# KiCad board ButterStick.kicad_pcb (continued)
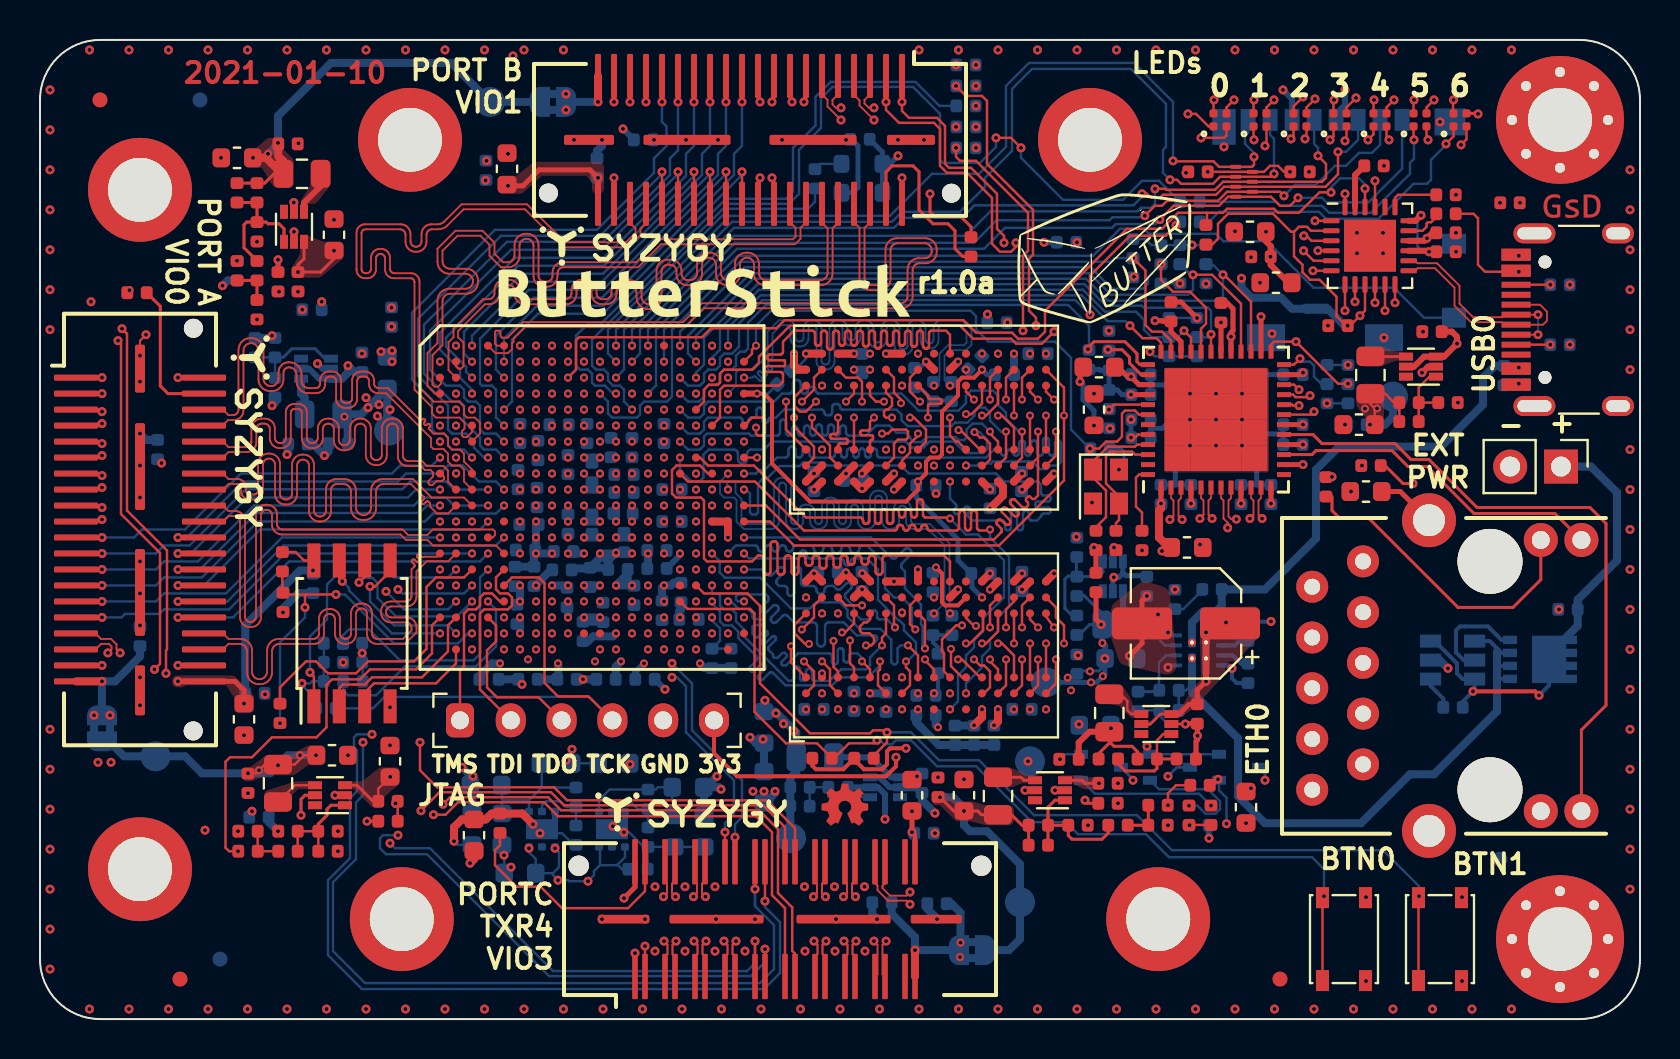
[diagram p0: board, top side]
## Library data of the parts
C1 C4 C5 C7-C9 C11-C17 C20-C22 C24 C26 C28 C32 C38-C40 C42 C44 C46 C48 C50 C52 C53 C56 C63 C64 C66 C67 C70 C71 C88 C89 C92-C94 C97-C99 C102 C105 C106 C109 C112 C113 C116 C120 C121 C145-C151 C153-C158 C167 = -: Mfg: Yageo; PN: CC0402KRX5R6BB104; Tol: 10V / X5R
C2 C3 C33-C37 C68 C75 C85-C87 C142 C143 C159-C164 C166 = -: Mfg: Yageo; PN: CC0402KRX5R6BB105
C6 C128-C131 C144 = -: Mfg: Yageo; PN: CC0402KRX7R8BB103
C10 C41 C55 C57 C65 C69 C72 C74 C82-C84 C101 C103 C104 C108 C110 C111 C115 C117 C118 = -: Mfg: Yageo; PN: CC0603KRX5R5BB106
C18 C19 C54 C73 C79-C81 C100 C107 C114 = -: Mfg: Yageo; PN: CC0402CRNPO9BN6R8
C23 C25 C27 C30 C43 C45 C47 C49 C51 C122-C127 C132-C137 C152 = -: Mfg: Yageo; PN: CC0402KRX5R5BB474
C29 C31 C60-C62 C76-C78 C90 C91 C95 C96 C119 C138 C139 = -: Mfg: Yageo; PN: CC0402KRX5R6BB475
C58 C59 C140 C141 = -: Mfg: Yageo; Tol: 6.3V
C165 = -: Mfg: United Chemi-Con; PN: APXF6R3ARA151ME40G
CON1 = -: Mfg: Pulse Electronics Network; PN: JD1-0001NL
D1-D7 = -: Mfg: MEIHUA; PN: MHPA1010RGBDT
FB1-FB7 = -: Mfg: TDK Corporation; PN: MPZ1608D101BTA00
FID1-FID6 H1 H2 J6 J7 JP1-JP3 LOGO2 NT1 TP1 TP5-TP11 = -: PN: DNP
J1 = -: Mfg: GCT; PN: USB4105-GF-A
J2 = -: Mfg: Molex; PN: 1040310811
J3 J4 = -: Mfg: Samtec Inc.; PN: QSE-020-01-F-D-A
J5 = -: Mfg: Samtec Inc.; PN: QSH-020-01-F-D-DP-A
L3-L10 = -: Mfg: Sunltech Tech; PN: SLM20122R2MIT
Q1-Q3 = -: Mfg: Nexperia; PN: 2N7002PW\,115
Q4 = -: Mfg: Diodes Incorporated; PN: DMN6013LFG-7
R1 R61 = -: Mfg: Yageo; PN: RC0402FR-07210KL; Tol: 1%
R2 = -: Mfg: Yageo; PN: RC0402FR-0784K5L; Tol: 1%
R3 = -: Mfg: Yageo; PN: RC0402FR-0749K9L; Tol: 1%
R4 = -: Mfg: Yageo; PN: RC0402FR-078K06L
R5 = -: Mfg: Yageo; PN: RC0402FR-0720KL
R6 R7 R92 R96 = -: Mfg: Yageo; PN: RC0402FR-075K1L
R8 R9 R12-R19 R22 R23 = -: Mfg: Yageo; PN: RC0402FR-071K5L
R30 = -: Mfg: Yageo; PN: RC0402FR-0712K1L
R31 R32 R35 R36 R38 R39 R41 R42 R44 = -: Mfg: Yageo; PN: RC0402FR-07220RL
R33 R34 R37 R40 R43 R53 R76 R81 R86 = -: Mfg: Yageo; PN: RC0402FR-0710KL
R45 R55 = -: Mfg: Yageo; PN: RC0402FR-074K7L
R47 R48 R51 R69 R70 = -: Mfg: Yageo; PN: RC0402FR-071KL
R52 R67 R71 R93 R94 = -: Mfg: Yageo; PN: RC0402FR-0751RL
R54 = -: Mfg: Yageo; PN: RC0402FR-0720RL
R56 = -: Mfg: Yageo; PN: RC0402FR-07124KL; Tol: 1%
R57 R59 R63-R66 R73 R90 = -: Mfg: Yageo; PN: RC0402FR-07100KL; Tol: 1%
R58 = -: Mfg: Yageo; PN: RC0402FR-07316KL; Tol: 1%
R60 R74 = -: Mfg: Yageo; PN: RC0402FR-07118KL; Tol: 1%
R62 R97 = -: Mfg: Yageo; PN: RC0402FR-0747KL
R68 R72 = -: Mfg: Yageo; PN: RC0402FR-07240RL
R75 R77 R80 R82 R85 R87 = -: Mfg: Yageo; PN: RC0402FR-0734KL; Tol: 1%
R78 R83 R88 = -: Mfg: Yageo; PN: RC0402FR-0753K6L; Tol: 1%
R79 R84 R89 = -: Mfg: Yageo; PN: RC0402FR-0713KL; Tol: 1%
R91 R95 = -: Mfg: Yageo; PN: RC0402FR-0723K7L; Tol: 1%
SW1 SW2 = -: Mfg: C&K; PN: PTS810SJK250SMTRLFS
U1 = -: Mfg: Microchip Technology; PN: USB3343-CP-TR
U2 = -: Mfg: Microchip Technology; PN: KSZ9031RNXCA
U3 = -: Mfg: Nexperia USA Inc.; PN: PUSB3FR6Z
U4 = -: Mfg: Lattice Semiconductor Corporation; PN: LFE5UM5G-85F-8BG381I
U5 = -: Mfg: Winbond Electronics
U6-U10 U13-U15 = -: Mfg: Texas Instruments; PN: TLV62569DRLR
U11 U12 = -: Mfg: Micron Technology Inc.; PN: MT41K64M16TW-107:J TR
U16 U17 = -: Mfg: Texas Instruments; PN: TLV75801PDRVR
U18 = -: Mfg: Texas Instruments; PN: TPS2121RUXR
U19 = -: Mfg: Texas Instruments; PN: LM74700QDBVRQ1
X1 = -: Mfg: ECS Inc.; PN: ECS-2520SMV-300-FN-TR
Y1 = -: Mfg: EPSON; PN: FA-20H 25.0000MF20X-K3

## Footprints (pads in the part's own frame, mm; a bottom-side part is the same pattern mirrored in y, then rotated)
0404LED_RGB
  rrect 0.4x0.4 smd: 1(-0.325,-0.325) 2(-0.325,0.325) 3(0.325,0.325) 4(0.325,-0.325)
BGA-96_9.0x13.0mm_Layout2x3x16_P0.8mm
  round 0.4 smd: A1(-3.2,6) A2(-2.4,6) A3(-1.6,6) A7(1.6,6) A8(2.4,6) A9(3.2,6) B1(-3.2,5.2) B2(-2.4,5.2) B3(-1.6,5.2) B7(1.6,5.2) B8(2.4,5.2) B9(3.2,5.2) C1(-3.2,4.4) C2(-2.4,4.4) C3(-1.6,4.4) C7(1.6,4.4) C8(2.4,4.4) C9(3.2,4.4) D1(-3.2,3.6) D2(-2.4,3.6) D3(-1.6,3.6) D7(1.6,3.6) D8(2.4,3.6) D9(3.2,3.6) E1(-3.2,2.8) E2(-2.4,2.8) E3(-1.6,2.8) E7(1.6,2.8) E8(2.4,2.8) E9(3.2,2.8) F1(-3.2,2) F2(-2.4,2) F3(-1.6,2) F7(1.6,2) F8(2.4,2) F9(3.2,2) G1(-3.2,1.2) G2(-2.4,1.2) G3(-1.6,1.2) G7(1.6,1.2) G8(2.4,1.2) G9(3.2,1.2) H1(-3.2,0.4) H2(-2.4,0.4) H3(-1.6,0.4) H7(1.6,0.4) H8(2.4,0.4) H9(3.2,0.4) J1(-3.2,-0.4) J2(-2.4,-0.4) J3(-1.6,-0.4) J7(1.6,-0.4) J8(2.4,-0.4) J9(3.2,-0.4) K1(-3.2,-1.2) K2(-2.4,-1.2) K3(-1.6,-1.2) K7(1.6,-1.2) K8(2.4,-1.2) K9(3.2,-1.2) L1(-3.2,-2) L2(-2.4,-2) L3(-1.6,-2) L7(1.6,-2) L8(2.4,-2) L9(3.2,-2) M1(-3.2,-2.8) M2(-2.4,-2.8) M3(-1.6,-2.8) M7(1.6,-2.8) M8(2.4,-2.8) M9(3.2,-2.8) N1(-3.2,-3.6) N2(-2.4,-3.6) N3(-1.6,-3.6) N7(1.6,-3.6) N8(2.4,-3.6) N9(3.2,-3.6) P1(-3.2,-4.4) P2(-2.4,-4.4) P3(-1.6,-4.4) P7(1.6,-4.4) P8(2.4,-4.4) P9(3.2,-4.4) R1(-3.2,-5.2) R2(-2.4,-5.2) R3(-1.6,-5.2) R7(1.6,-5.2) R8(2.4,-5.2) R9(3.2,-5.2) T1(-3.2,-6) T2(-2.4,-6) T3(-1.6,-6) T7(1.6,-6) T8(2.4,-6) T9(3.2,-6)
C_0402_1005Metric
  rrect 0.59x0.64 smd: 1(-0.485,0) 2(0.485,0)
C_0603_1608Metric
  rrect 0.875x0.95 smd: 1(-0.787,0) 2(0.787,0)
caBGA_381_17x17
  round 0.4 smd: A2(-6.8,7.6) A3(-6,7.6) A4(-5.2,7.6) A5(-4.4,7.6) A6(-3.6,7.6) A7(-2.8,7.6) A8(-2,7.6) A9(-1.2,7.6) A10(-0.4,7.6) A11(0.4,7.6) A12(1.2,7.6) A13(2,7.6) A14(2.8,7.6) A15(3.6,7.6) A16(4.4,7.6) A17(5.2,7.6) A18(6,7.6) A19(6.8,7.6) B1(-7.6,6.8) B2(-6.8,6.8) B3(-6,6.8) B4(-5.2,6.8) B5(-4.4,6.8) B6(-3.6,6.8) B7(-2.8,6.8) B8(-2,6.8) B9(-1.2,6.8) B10(-0.4,6.8) B11(0.4,6.8) B12(1.2,6.8) B13(2,6.8) B14(2.8,6.8) B15(3.6,6.8) B16(4.4,6.8) B17(5.2,6.8) B18(6,6.8) B19(6.8,6.8) B20(7.6,6.8) C1(-7.6,6) C2(-6.8,6) C3(-6,6) C4(-5.2,6) C5(-4.4,6) C6(-3.6,6) C7(-2.8,6) C8(-2,6) C9(-1.2,6) C10(-0.4,6) C11(0.4,6) C12(1.2,6) C13(2,6) C14(2.8,6) C15(3.6,6) C16(4.4,6) C17(5.2,6) C18(6,6) C19(6.8,6) C20(7.6,6) D1(-7.6,5.2) D2(-6.8,5.2) D3(-6,5.2) D4(-5.2,5.2) D5(-4.4,5.2) D6(-3.6,5.2) D7(-2.8,5.2) D8(-2,5.2) D9(-1.2,5.2) D10(-0.4,5.2) D11(0.4,5.2) D12(1.2,5.2) D13(2,5.2) D14(2.8,5.2) D15(3.6,5.2) D16(4.4,5.2) D17(5.2,5.2) D18(6,5.2) D19(6.8,5.2) D20(7.6,5.2) E1(-7.6,4.4) E2(-6.8,4.4) E3(-6,4.4) E4(-5.2,4.4) E5(-4.4,4.4) E6(-3.6,4.4) E7(-2.8,4.4) E8(-2,4.4) E9(-1.2,4.4) E10(-0.4,4.4) E11(0.4,4.4) E12(1.2,4.4) E13(2,4.4) E14(2.8,4.4) E15(3.6,4.4) E16(4.4,4.4) E17(5.2,4.4) E18(6,4.4) E19(6.8,4.4) E20(7.6,4.4) F1(-7.6,3.6) F2(-6.8,3.6) F3(-6,3.6) F4(-5.2,3.6) F5(-4.4,3.6) F6(-3.6,3.6) F7(-2.8,3.6) F8(-2,3.6) F9(-1.2,3.6) F10(-0.4,3.6) F11(0.4,3.6) F12(1.2,3.6) F13(2,3.6) F14(2.8,3.6) F15(3.6,3.6) F16(4.4,3.6) F17(5.2,3.6) F18(6,3.6) F19(6.8,3.6) F20(7.6,3.6) G1(-7.6,2.8) G2(-6.8,2.8) G3(-6,2.8) G4(-5.2,2.8) G5(-4.4,2.8) G6(-3.6,2.8) G7(-2.8,2.8) G8(-2,2.8) G9(-1.2,2.8) G10(-0.4,2.8) G11(0.4,2.8) G12(1.2,2.8) G13(2,2.8) G14(2.8,2.8) G15(3.6,2.8) G16(4.4,2.8) G17(5.2,2.8) G18(6,2.8) G19(6.8,2.8) G20(7.6,2.8) H1(-7.6,2) H2(-6.8,2) H3(-6,2) H4(-5.2,2) H5(-4.4,2) H6(-3.6,2) H7(-2.8,2) H8(-2,2) H9(-1.2,2) H10(-0.4,2) H11(0.4,2) H12(1.2,2) H13(2,2) H14(2.8,2) H15(3.6,2) H16(4.4,2) H17(5.2,2) H18(6,2) H19(6.8,2) H20(7.6,2) J1(-7.6,1.2) J2(-6.8,1.2) J3(-6,1.2) J4(-5.2,1.2) J5(-4.4,1.2) J6(-3.6,1.2) J7(-2.8,1.2) J8(-2,1.2) J9(-1.2,1.2) J10(-0.4,1.2) J11(0.4,1.2) J12(1.2,1.2) J13(2,1.2) J14(2.8,1.2) J15(3.6,1.2) J16(4.4,1.2) J17(5.2,1.2) J18(6,1.2) J19(6.8,1.2) J20(7.6,1.2) K1(-7.6,0.4) K2(-6.8,0.4) K3(-6,0.4) K4(-5.2,0.4) K5(-4.4,0.4) K6(-3.6,0.4) K7(-2.8,0.4) K8(-2,0.4) K9(-1.2,0.4) K10(-0.4,0.4) K11(0.4,0.4) K12(1.2,0.4) K13(2,0.4) K14(2.8,0.4) K15(3.6,0.4) K16(4.4,0.4) K17(5.2,0.4) K18(6,0.4) K19(6.8,0.4) K20(7.6,0.4) L1(-7.6,-0.4) L2(-6.8,-0.4) L3(-6,-0.4) L4(-5.2,-0.4) L5(-4.4,-0.4) L6(-3.6,-0.4) L7(-2.8,-0.4) L8(-2,-0.4) L9(-1.2,-0.4) L10(-0.4,-0.4) L11(0.4,-0.4) L12(1.2,-0.4) L13(2,-0.4) L14(2.8,-0.4) L15(3.6,-0.4) L16(4.4,-0.4) L17(5.2,-0.4) L18(6,-0.4) L19(6.8,-0.4) L20(7.6,-0.4) M1(-7.6,-1.2) M2(-6.8,-1.2) M3(-6,-1.2) M4(-5.2,-1.2) M5(-4.4,-1.2) M6(-3.6,-1.2) M7(-2.8,-1.2) M8(-2,-1.2) M9(-1.2,-1.2) M10(-0.4,-1.2) M11(0.4,-1.2) M12(1.2,-1.2) M13(2,-1.2) M14(2.8,-1.2) M15(3.6,-1.2) M16(4.4,-1.2) M17(5.2,-1.2) M18(6,-1.2) M19(6.8,-1.2) M20(7.6,-1.2) N1(-7.6,-2) N2(-6.8,-2) N3(-6,-2) N4(-5.2,-2) N5(-4.4,-2) N6(-3.6,-2) N7(-2.8,-2) N8(-2,-2) N9(-1.2,-2) N10(-0.4,-2) N11(0.4,-2) N12(1.2,-2) N13(2,-2) N14(2.8,-2) N15(3.6,-2) N16(4.4,-2) N17(5.2,-2) N18(6,-2) N19(6.8,-2) N20(7.6,-2) P1(-7.6,-2.8) P2(-6.8,-2.8) P3(-6,-2.8) P4(-5.2,-2.8) P5(-4.4,-2.8) P6(-3.6,-2.8) P7(-2.8,-2.8) P8(-2,-2.8) P9(-1.2,-2.8) P10(-0.4,-2.8) P11(0.4,-2.8) P12(1.2,-2.8) P13(2,-2.8) P14(2.8,-2.8) P15(3.6,-2.8) P16(4.4,-2.8) P17(5.2,-2.8) P18(6,-2.8) P19(6.8,-2.8) P20(7.6,-2.8) R1(-7.6,-3.6) R2(-6.8,-3.6) R3(-6,-3.6) R4(-5.2,-3.6) R5(-4.4,-3.6) R16(4.4,-3.6) R17(5.2,-3.6) R18(6,-3.6) R19(6.8,-3.6) R20(7.6,-3.6) T1(-7.6,-4.4) T2(-6.8,-4.4) T3(-6,-4.4) T4(-5.2,-4.4) T5(-4.4,-4.4) T6(-3.6,-4.4) T7(-2.8,-4.4) T8(-2,-4.4) T9(-1.2,-4.4) T10(-0.4,-4.4) T11(0.4,-4.4) T12(1.2,-4.4) T13(2,-4.4) T14(2.8,-4.4) T15(3.6,-4.4) T16(4.4,-4.4) T17(5.2,-4.4) T18(6,-4.4) T19(6.8,-4.4) T20(7.6,-4.4) U1(-7.6,-5.2) U2(-6.8,-5.2) U3(-6,-5.2) U4(-5.2,-5.2) U5(-4.4,-5.2) U6(-3.6,-5.2) U7(-2.8,-5.2) U8(-2,-5.2) U9(-1.2,-5.2) U10(-0.4,-5.2) U11(0.4,-5.2) U12(1.2,-5.2) U13(2,-5.2) U14(2.8,-5.2) U15(3.6,-5.2) U16(4.4,-5.2) U17(5.2,-5.2) U18(6,-5.2) U19(6.8,-5.2) U20(7.6,-5.2) V1(-7.6,-6) V2(-6.8,-6) V3(-6,-6) V4(-5.2,-6) V5(-4.4,-6) V6(-3.6,-6) V7(-2.8,-6) V8(-2,-6) V9(-1.2,-6) V10(-0.4,-6) V11(0.4,-6) V12(1.2,-6) V13(2,-6) V14(2.8,-6) V15(3.6,-6) V16(4.4,-6) V17(5.2,-6) V18(6,-6) V19(6.8,-6) V20(7.6,-6) W1(-7.6,-6.8) W2(-6.8,-6.8) W3(-6,-6.8) W4(-5.2,-6.8) W5(-4.4,-6.8) W6(-3.6,-6.8) W7(-2.8,-6.8) W8(-2,-6.8) W9(-1.2,-6.8) W10(-0.4,-6.8) W11(0.4,-6.8) W12(1.2,-6.8) W13(2,-6.8) W14(2.8,-6.8) W15(3.6,-6.8) W16(4.4,-6.8) W17(5.2,-6.8) W18(6,-6.8) W19(6.8,-6.8) W20(7.6,-6.8) Y2(-6.8,-7.6) Y3(-6,-7.6) Y5(-4.4,-7.6) Y6(-3.6,-7.6) Y7(-2.8,-7.6) Y8(-2,-7.6) Y11(0.4,-7.6) Y12(1.2,-7.6) Y14(2.8,-7.6) Y15(3.6,-7.6) Y16(4.4,-7.6) Y17(5.2,-7.6) Y19(6.8,-7.6)
CP_Elec_5x4.4
  rrect 3x1.6 smd: 1(-2.2,0) 2(2.2,0)
Diodes_PowerDI3333-8
  rect 0.6x1 smd: (0.02,-0.565) (0.02,0.565) (0.73,-0.565) (0.73,0.565)
  rect 0.7x0.42 smd: (1.5,-0.975) (1.5,-0.325) (1.5,0.325) (1.5,0.975) 1(-1.5,-0.975) 2(-1.5,-0.325) 2(-1.5,0.325) 2(-1.5,0.975)
  custom 2.25x2.37 smd: 3(0.455,0)
Fiducial_0.75mm_Mask1.5mm
  round 0.75 smd: (0,0)
L_0603_1608Metric
  rrect 0.875x0.95 smd: 1(-0.787,0) 2(0.787,0)
L_0805_2012Metric
  rrect 0.975x1.4 smd: 1(-0.938,0) 2(0.938,0)
MAGJACK
  round 3.25 hole 3.25 unplated: (0,0) (11.43,0)
  round 2.7 hole 1.6: 1(-2.06,3.05) 1(13.49,3.05)
  round 1.6 hole 0.8: 2(11.43,6.35) 3(10.16,8.89) 4(8.89,6.35) 5(7.62,8.89) 6(6.35,6.35) 7(5.08,8.89) 8(3.81,6.35) 9(2.54,8.89) 10(1.27,6.35) 11(0,8.89)
  round 1.7 hole 0.9: 12(12.5,-2.54) 13(12.5,-4.57) 14(-1.07,-2.54) 15(-1.07,-4.57)
molex_microsd_1040310811
  rect 0.75x1.1 smd: 1(3.105,0) 2(2.005,0) 3(0.905,0) 4(-0.195,0) 5(-1.295,0) 6(-2.395,0) 7(-3.495,0) 8(-4.595,0)
  rect 1.17x1.8 smd: 9(-5.8,0.35)
  rect 1.9x1.35 smd: 9(-3.7,10.9) 9(2.2,10.9)
  rect 1.55x1.35 smd: 9(5.5,0.1)
  rect 1.2x1 smd: 10(5.7,6.2) 11(5.7,9.9)
MountingHole_3.2mm_M3_Pad_Via
  round 0.8 hole 0.5: 1(-2.4,0) 1(-1.697,1.697) 1(-1.697,-1.697) 1(0,2.4) 1(0,-2.4) 1(1.697,1.697) 1(1.697,-1.697) 1(2.4,0)
  round 6.4 hole 3.2: 1(0,0)
NetTie-2_SMD_Pad0.5mm
  round 0.5 smd: 1(-0.5,0) 2(0.5,0)
Oscilator_2.5x2.0
  rrect 0.8x0.9 smd: 1(-1.025,-0.725) 2(1.025,-0.725) 3(1.025,0.725) 4(-1.025,0.725)
Oscillator_SMD_SeikoEpson_SG210-4Pin_2.5x2.0mm
  rect 1.1x0.9 smd: 1(-0.85,-0.65) 2(0.85,-0.65) 3(0.85,0.65) 4(-0.85,0.65)
PinHeader_1x02_P2.54mm_Vertical
  rect 1.7x1.7 hole 1: 1(0,0)
  oval 1.7x1.7 hole 1: 2(0,-2.54)
PinHeader_1x06_P2.54mm_Vertical
  rrect 1.7x1.4 hole 0.9: 1(0,0)
  oval 1.7x1.5 hole 0.9: 2(0,-2.54) 3(0,-5.08) 4(0,-7.62) 5(0,-10.16) 6(0,-12.7)
QFN-24-1EP_4x4mm_P0.5mm_EP2.6x2.6mm
  rrect 1.05x1.05 smd: (-0.65,0.65) (-0.65,-0.65) (0.65,0.65) (0.65,-0.65)
  rrect 0.825x0.25 smd: 1(-1.938,1.25) 2(-1.938,0.75) 3(-1.938,0.25) 4(-1.938,-0.25) 5(-1.938,-0.75) 6(-1.938,-1.25) 13(1.938,-1.25) 14(1.938,-0.75) 15(1.938,-0.25) 16(1.938,0.25) 17(1.938,0.75) 18(1.938,1.25)
  rrect 0.25x0.825 smd: 7(-1.25,-1.938) 8(-0.75,-1.938) 9(-0.25,-1.938) 10(0.25,-1.938) 11(0.75,-1.938) 12(1.25,-1.938) 19(1.25,1.938) 20(0.75,1.938) 21(0.25,1.938) 22(-0.25,1.938) 23(-0.75,1.938) 24(-1.25,1.938)
  rect 2.6x2.6 smd: 25(0,0)
QFN-48-1EP_7x7mm_Pitch0.5mm
  rect 0.7x0.25 smd: 1(-3.4,2.75) 2(-3.4,2.25) 3(-3.4,1.75) 4(-3.4,1.25) 5(-3.4,0.75) 6(-3.4,0.25) 7(-3.4,-0.25) 8(-3.4,-0.75) 9(-3.4,-1.25) 10(-3.4,-1.75) 11(-3.4,-2.25) 12(-3.4,-2.75) 25(3.4,-2.75) 26(3.4,-2.25) 27(3.4,-1.75) 28(3.4,-1.25) 29(3.4,-0.75) 30(3.4,-0.25) 31(3.4,0.25) 32(3.4,0.75) 33(3.4,1.25) 34(3.4,1.75) 35(3.4,2.25) 36(3.4,2.75)
  rect 0.25x0.7 smd: 13(-2.75,-3.4) 14(-2.25,-3.4) 15(-1.75,-3.4) 16(-1.25,-3.4) 17(-0.75,-3.4) 18(-0.25,-3.4) 19(0.25,-3.4) 20(0.75,-3.4) 21(1.25,-3.4) 22(1.75,-3.4) 23(2.25,-3.4) 24(2.75,-3.4) 37(2.75,3.4) 38(2.25,3.4) 39(1.75,3.4) 40(1.25,3.4) 41(0.75,3.4) 42(0.25,3.4) 43(-0.25,3.4) 44(-0.75,3.4) 45(-1.25,3.4) 46(-1.75,3.4) 47(-2.25,3.4) 48(-2.75,3.4)
  rect 1.288x1.288 smd: 49(-1.931,1.931) 49(-1.931,0.644) 49(-1.931,-0.644) 49(-1.931,-1.931) 49(-0.644,1.931) 49(-0.644,0.644) 49(-0.644,-0.644) 49(-0.644,-1.931) 49(0.644,1.931) 49(0.644,0.644) 49(0.644,-0.644) 49(0.644,-1.931) 49(1.931,1.931) 49(1.931,0.644) 49(1.931,-0.644) 49(1.931,-1.931)
R_0402_1005Metric
  rrect 0.59x0.64 smd: 1(-0.485,0) 2(0.485,0)
SOIJ-8_5.3x5.3mm_P1.27mm
  rect 1.7x0.65 smd: 1(-3.65,1.905) 2(-3.65,0.635) 3(-3.65,-0.635) 4(-3.65,-1.905) 5(3.65,-1.905) 6(3.65,-0.635) 7(3.65,0.635) 8(3.65,1.905)
SolderJumper-2_P1.3mm_Bridged2Bar_RoundedPad1.0x1.5mm
  custom 1x1.5 smd: 1(-0.65,0) 2(0.65,0)
SOT-23-6
  rect 1.06x0.65 smd: 1(-1.1,0.95) 2(-1.1,0) 3(-1.1,-0.95) 4(1.1,-0.95) 5(1.1,0) 6(1.1,0.95)
SOT-323_SC-70
  rect 0.7x0.45 smd: 1(-1,0.65) 2(-1,-0.65) 3(1,0)
SOT-563
  rect 0.7x0.4 smd: 1(-0.75,0.5) 2(-0.75,0) 3(-0.75,-0.5) 4(0.75,-0.5) 5(0.75,0) 6(0.75,0.5)
SW_SPST_PTS810
  rect 1.05x0.65 smd: 1(-2.075,1.075) 1(2.075,1.075) 2(-2.075,-1.075) 2(2.075,-1.075)
SYZYGY_standard_carrier
  round 5.2 hole 3.2: (-17,0) (17,0)
  round 0.95 hole 0.95 unplated: (-10.07,2.67) (10.08,2.66)
  rrect 0.3x2.2 smd: 1(-7.6,-3.2) 2(-7.6,3.2) 3(-6.8,-3.2) 4(-6.8,3.2) 5(-6,-3.2) 6(-6,3.2) 7(-5.2,-3.2) 8(-5.2,3.2) 9(-4.4,-3.2) 10(-4.4,3.2) 11(-3.6,-3.2) 12(-3.6,3.2) 13(-2.8,-3.2) 14(-2.8,3.2) 15(-2,-3.2) 16(-2,3.2) 17(-1.2,-3.2) 18(-1.2,3.2) 19(-0.4,-3.2) 20(-0.4,3.2) 21(0.4,-3.2) 22(0.4,3.2) 23(1.2,-3.2) 24(1.2,3.2) 25(2,-3.2) 26(2,3.2) 27(2.8,-3.2) 28(2.8,3.2) 29(3.6,-3.2) 30(3.6,3.2) 31(4.4,-3.2) 32(4.4,3.2) 33(5.2,-3.2) 34(5.2,3.2) 35(6,-3.2) 36(6,3.2) 37(6.8,-3.2) 38(6.8,3.2) 39(7.6,-3.2) 40(7.6,3.2)
  rrect 2.4x0.5 smd: 41(-8.05,0)
  rrect 4.35x0.5 smd: 41(-3.15,0) 41(3.15,0)
  rrect 2.5x0.5 smd: 41(8.05,0)
SYZYGY_Transcieiver
  round 5.2 hole 3.2: (-18.91,0) (18.91,0)
  round 1.02 hole 1.02 unplated: (-10.066,2.67) (10.066,2.67)
  rrect 0.28x2.27 smd: 1(-7.25,-2.87) 2(-7.25,2.87) 3(-6.75,-2.87) 4(-6.75,2.87) 5(-5.75,-2.87) 6(-5.75,2.87) 7(-5.25,-2.87) 8(-5.25,2.87) 9(-4.25,-2.87) 10(-4.25,2.87) 11(-3.75,-2.87) 12(-3.75,2.87) 13(-2.75,-2.87) 14(-2.75,2.87) 15(-2.25,-2.87) 16(-2.25,2.87) 17(-1.25,-2.87) 18(-1.25,2.87) 19(-0.75,-2.87) 20(-0.75,2.87) 21(0.25,-2.87) 22(0.25,2.87) 23(0.75,-2.87) 24(0.75,2.87) 25(1.75,-2.87) 26(1.75,2.87) 27(2.25,-2.87) 28(2.25,2.87) 29(3.25,-2.87) 30(3.25,2.87) 31(3.75,-2.87) 32(3.75,2.87) 33(4.75,-2.87) 34(4.75,2.87) 35(5.25,-2.87) 36(5.25,2.87) 37(6.25,-2.87) 38(6.25,2.87) 39(6.75,-2.87) 40(6.75,2.87)
  rrect 2.54x0.43 smd: 41(-7.81,0) 41(7.81,0)
  rrect 4.7x0.43 smd: 41(-3.175,0) 41(3.175,0)
TestPoint_Pad_D1.5mm
  round 1.5 smd: 1(0,0)
USB_C_Receptacle_HRO_TYPE-C-31-M-12
  round 0.65 hole 0.65 unplated: (-2.89,2.6) (2.89,2.6)
  rect 0.6x1.45 smd: A1(-3.25,4.045) A4(-2.45,4.045) A9(2.45,4.045) A12(3.25,4.045) B1(3.25,4.045) B4(2.45,4.045) B9(-2.45,4.045) B12(-3.25,4.045)
  rect 0.3x1.45 smd: A5(-1.25,4.045) A6(-0.25,4.045) A7(0.25,4.045) A8(1.25,4.045) B5(1.75,4.045) B6(0.75,4.045) B7(-0.75,4.045) B8(-1.75,4.045)
  oval 1x2.1 hole 0.6x1.7: S1(-4.32,3.13) S1(4.32,3.13)
  oval 1x1.6 hole 0.6x1.2: S1(-4.32,-1.05) S1(4.32,-1.05)
VQFN-HR
  rrect 1.05x0.4 smd: 1(-0.675,0.35) 2(-0.675,-0.35) 7(0.675,-0.35) 8(0.675,0.35)
  round 0.4 hole 0.2: 1(-0.4,0.35) 2(-0.4,-0.35) 7(0.4,-0.35) 8(0.4,0.35)
  rrect 0.2x0.6 smd: 3(-0.75,-1.15) 4(-0.25,-1.15) 5(0.25,-1.15) 6(0.75,-1.15) 9(0.75,1.15) 10(0.25,1.15) 11(-0.25,1.15) 12(-0.75,1.15)
WSON-6-1EP_2x2mm_P0.65mm_EP1x1.6mm
  rrect 0.81x0.64 smd: (0,-0.4) (0,0.4)
  rrect 0.375x0.4 smd: 1(-0.887,0.65) 2(-0.887,0) 3(-0.887,-0.65) 4(0.887,-0.65) 5(0.887,0) 6(0.887,0.65)
  rect 1x1.6 smd: 7(0,0)
XSON7
  rrect 0.53x0.2 smd: 1(-0.415,0.75) 2(0.415,0.5) 3(-0.415,0.25) 4(0.415,0) 5(-0.415,-0.25) 6(0.415,-0.5) 7(-0.415,-0.75)

## Nets
+1V2: C12.1 C13.1 C14.1 C15.1 C16.1 C17.1 C80.1 C83.1 C86.1 FB6.2 L5.2 R63.2 TP7.1 U2.4 U2.9 U2.14 U2.18 U2.23 U2.26 U2.30 U2.39
+2V5: C31.1 C38.1 C39.1 C40.1 C54.1 C55.1 C68.1 FB1.1 L10.2 R58.2 TP1.1 U4.F6 U4.F15 U4.P6 U4.P15 U16.4 U16.6 U17.4 U17.6
+3V3: C4.1 C5.1 C7.1 C9.1 C11.1 C30.1 C32.1 C52.1 C53.1 C56.1 C63.1 C65.1 C66.1 C67.1 C70.1 C71.1 C72.1 C79.1 C82.1 C85.1 C104.1 C111.1 C118.1 C151.1 C152.1 C153.1 C154.1 C156.1 FB5.1 J3.40 J4.40 J5.40 J6.6 L4.2 R8.2 R9.2 R10.2 R11.2 R12.2 R13.2 R14.2 R15.2 R16.2 R17.2 R19.2 R31.1 R32.2 R45.1 R46.1 R48.1 R50.1 R61.2 TP6.1 U1.16 U2.1 U2.12 U2.16 U2.34 U2.40 U4.F11 U4.F12 U4.P9 U4.P10 U5.8 X1.1 X1.4
+5V: C29.1 C61.1 C76.1 C77.1 C78.1 C98.1 C103.1 C105.1 C110.1 C112.1 C117.1 C165.1 J3.2 J4.2 J5.2 U6.3 U6.5 U7.3 U7.5 U8.3 U8.5 U9.3 U9.5 U10.3 U10.5 U13.3 U14.3 U15.3 U18.1 U18.8
/FPGA-MISC/VDDIO_EN: R76.2 R81.2 R86.2 U4.E12 U13.5 U14.5 U15.5
/sheetFPGA/VDDA: C59.1 C62.1 C123.1 C125.1 C127.1 C129.1 FB2.2 U4.T6 U4.T15 U4.U6 U4.U15
/sheetFPGA/VDDAUXA: C58.1 C60.1 C122.1 C124.1 C126.1 C128.1 FB1.2 U4.V10 U4.V11 U4.V17 U4.V18
/sheetFPGA/VDDRX: C130.1 C132.1 C134.1 C136.1 C138.1 C140.1 FB3.2 U4.T8 U4.T9 U4.T12 U4.T13
/sheetFPGA/VDDTX: C131.1 C133.1 C135.1 C137.1 C139.1 C141.1 FB4.2 U4.T7 U4.T10 U4.T11 U4.T14
GND: C1.2 C2.2 C3.2 C4.2 C5.2 C6.1 C7.2 C8.1 C9.2 C10.1 C11.2 C12.2 C13.2 C14.2 C15.2 C16.2 C17.2 C18.1 C19.1 C20.2 C21.2 C22.2 C23.2 C24.2 C25.2 C26.2 C27.2 C28.2 C29.2 C30.2 C31.2 C32.2 C33.2 C34.2 C35.2 C36.2 C37.2 C38.2 C39.2 C40.2 C41.2 C42.2 C43.2 C44.2 C45.2 C46.2 C47.2 C48.2 C49.2 C50.2 C51.2 C52.2 C53.2 C55.2 C56.2 C57.2 C58.2 C59.2 C60.2 C61.2 C62.2 C63.2 C64.2 C65.2 C66.2 C67.2 C68.2 C69.2 C70.2 C71.2 C72.2 C74.2 C75.2 C76.2 C77.2 C78.2 C82.2 C83.2 C84.2 C85.2 C86.2 C87.2 C88.2 C89.2 C90.2 C91.2 C92.2 C93.2 C94.2 C95.2 C96.2 C97.2 C98.2 C99.2 C101.2 C102.2 C103.2 C104.2 C105.2 C106.2 C108.2 C109.2 C110.2 C111.2 C112.2 C113.2 C115.2 C116.2 C117.2 C118.2 C119.2 C120.2 C121.2 C122.2 C123.2 C124.2 C125.2 C126.2 C127.2 C128.2 C129.2 C130.2 C131.2 C132.2 C133.2 C134.2 C135.2 C136.2 C137.2 C138.2 C139.2 C140.2 C141.2 C142.2 C143.2 C144.2 C145.2 C146.2 C147.2 C148.2 C149.2 C150.2 C151.2 C152.2 C153.2 C154.2 C155.2 C156.2 C157.2 C158.2 C159.2 C160.2 C161.2 C162.2 C163.2 C164.2 C165.2 C166.2 CON1.2 FB7.1 J1.A1 J1.A12 J1.B1 J1.B12 J1.S1 J2.6 J2.9 J2.10 J3.41 J4.41 J5.41 J6.5 J7.2 Q1.2 Q2.2 Q3.2 R1.2 R2.2 R3.2 R4.1 R6.2 R7.2 R18.1 R20.2 R21.2 R22.2 R23.2 R24.2 R25.2 R26.2 R27.2 R28.2 R29.2 R30.2 R37.1 R40.1 R43.1 R47.2 R49.2 R51.2 R55.2 R57.1 R59.1 R62.1 R64.1 R66.1 R68.2 R70.2 R72.2 R73.1 R76.1 R79.1 R81.1 R84.1 R86.1 R89.1 R90.1 R92.1 R96.1 R97.1 SW1.2 SW2.2 U1.25 U2.29 U2.49 U3.2 U4.B7 U4.B14 U4.C19 U4.D4 U4.F7 U4.F8 U4.F13 U4.F14 U4.G4 U4.G6 U4.G7 U4.G8 U4.G9 U4.G10 U4.G11 U4.G12 U4.G13 U4.G14 U4.G15 U4.G17 U4.H19 U4.J2 U4.J7 U4.J9 U4.J10 U4.J11 U4.J12 U4.J14 U4.K6 U4.K7 U4.K9 U4.K10 U4.K11 U4.K12 U4.K14 U4.K15 U4.L9 U4.L10 U4.L11 U4.L12 U4.M2 U4.M7 U4.M9 U4.M10 U4.M11 U4.M12 U4.M14 U4.M16 U4.N6 U4.N7 U4.N14 U4.N15 U4.P7 U4.P8 U4.P11 U4.P12 U4.P13 U4.P14 U4.R19 U4.U7 U4.U8 U4.U9 U4.U10 U4.U11 U4.U12 U4.U13 U4.U14 U4.V5 U4.V6 U4.V7 U4.V8 U4.V9 U4.V12 U4.V13 U4.V14 U4.V15 U4.V16 U4.V19 U4.V20 U4.W6 U4.W7 U4.W12 U4.W15 U4.W16 U4.W19 U5.4 U6.2 U7.2 U8.2 U9.2 U10.2 U11.A9 U11.B1 U11.B3 U11.B9 U11.D1 U11.D8 U11.E1 U11.E2 U11.E8 U11.F9 U11.G1 U11.G9 U11.J2 U11.J8 U11.M1 U11.M9 U11.P1 U11.P9 U11.T1 U11.T9 U12.A9 U12.B1 U12.B3 U12.B9 U12.D1 U12.D8 U12.E1 U12.E2 U12.E8 U12.F9 U12.G1 U12.G9 U12.J2 U12.J8 U12.M1 U12.M9 U12.P1 U12.P9 U12.T1 U12.T9 U13.2 U14.2 U15.2 U16.3 U16.7 U17.3 U17.7 U18.3 U18.6 U18.9 U18.12 U19.2 X1.2 Y1.2 Y1.4
VBUS_USB: C142.1 J1.A4 J1.A9 J1.B4 J1.B9 R5.2 R91.2 U18.7
/FPGA-DDR3L/A0: U4.G16 U11.N3 U12.N3
/FPGA-DDR3L/A1: U4.E19 U11.P7 U12.P7
/FPGA-DDR3L/A2: U4.E20 U11.P3 U12.P3
/FPGA-DDR3L/A3: U4.F16 U11.N2 U12.N2
/FPGA-DDR3L/A4: U4.F19 U11.P8 U12.P8
/FPGA-DDR3L/A5: U4.E16 U11.P2 U12.P2
/FPGA-DDR3L/A6: U4.F17 U11.R8 U12.R8
/FPGA-DDR3L/A7: U4.L20 U11.R2 U12.R2
/FPGA-DDR3L/A8: U4.M20 U11.T8 U12.T8
/FPGA-DDR3L/A9: U4.E18 U11.R3 U12.R3
/FPGA-DDR3L/A10: U4.G18 U11.L7 U12.L7
/FPGA-DDR3L/A11: U4.D18 U11.R7 U12.R7
/FPGA-DDR3L/A12: U4.H18 U11.N7 U12.N7
/FPGA-DDR3L/A13: U4.C18 U11.T3 U12.T3
/FPGA-DDR3L/A14: U4.D17 U11.T7 U12.T7
/FPGA-DDR3L/A15: U4.G20 U11.M7 U12.M7
/FPGA-DDR3L/BA0: U4.H16 U11.M2 U12.M2
/FPGA-DDR3L/BA1: U4.F20 U11.N8 U12.N8
/FPGA-DDR3L/BA2: U4.H20 U11.M3 U12.M3
/FPGA-DDR3L/CAS: U4.J17 U11.K3 U12.K3
/FPGA-DDR3L/CK0_N: R93.2 U4.D19 U11.K7
/FPGA-DDR3L/CK0_P: R67.2 U4.C20 U11.J7
/FPGA-DDR3L/CK1_N: R94.2 U4.K19 U12.K7
/FPGA-DDR3L/CK1_P: R71.2 U4.J19 U12.J7
/FPGA-DDR3L/CKE0: U4.F18 U11.K9
/FPGA-DDR3L/CKE1: U4.J18 U12.K9
/FPGA-DDR3L/CS0: U4.J20 U11.L2
/FPGA-DDR3L/CS1: U4.J16 U12.L2
/FPGA-DDR3L/DQ0: U4.U19 U11.E3 U12.E3
/FPGA-DDR3L/DQ1: U4.T18 U11.F7 U12.F7
/FPGA-DDR3L/DQ2: U4.U18 U11.F2 U12.F2
/FPGA-DDR3L/DQ3: U4.R20 U11.F8 U12.F8
/FPGA-DDR3L/DQ4: U4.P18 U11.H3 U12.H3
/FPGA-DDR3L/DQ5: U4.P19 U11.H8 U12.H8
/FPGA-DDR3L/DQ6: U4.P20 U11.G2 U12.G2
/FPGA-DDR3L/DQ7: U4.N20 U11.H7 U12.H7
/FPGA-DDR3L/DQ8: U4.L19 U11.D7 U12.D7
/FPGA-DDR3L/DQ9: U4.L17 U11.C3 U12.C3
/FPGA-DDR3L/DQ10: U4.L16 U11.C8 U12.C8
/FPGA-DDR3L/DQ11: U4.R16 U11.C2 U12.C2
/FPGA-DDR3L/DQ12: U4.N18 U11.A7 U12.A7
/FPGA-DDR3L/DQ13: U4.R17 U11.A2 U12.A2
/FPGA-DDR3L/DQ14: U4.N17 U11.B8 U12.B8
/FPGA-DDR3L/DQ15: U4.P17 U11.A3 U12.A3
/FPGA-DDR3L/LDM: U4.U20 U11.E7 U12.E7
/FPGA-DDR3L/LDQS_N: U4.R18 U11.G3 U12.G3
/FPGA-DDR3L/LDQS_P: U4.T19 U11.F3 U12.F3
/FPGA-DDR3L/ODT0: U4.K20 U11.K1
/FPGA-DDR3L/ODT1: U4.H17 U12.K1
/FPGA-DDR3L/RAS: U4.K18 U11.J3 U12.J3
/FPGA-DDR3L/RST: U4.E17 U11.T2 U12.T2
/FPGA-DDR3L/UDM: U4.L18 U11.D3 U12.D3
/FPGA-DDR3L/UDQS_N: U4.M17 U11.B7 U12.B7
/FPGA-DDR3L/UDQS_P: U4.N16 U11.C7 U12.C7
/FPGA-DDR3L/WE: U4.G19 U11.L3 U12.L3
/FPGA-MISC/CLK_IN: R54.2 U4.B12
/FPGA-MISC/ETH0.CLK125: R8.1 R20.1 U2.41
/FPGA-MISC/ETH0.INT: R9.1 R21.1 U2.38
/FPGA-MISC/ETH0.MDC: U2.36 U4.A19
/FPGA-MISC/ETH0.MDIO: R19.1 U2.37 U4.D16
/FPGA-MISC/ETH0.RESET: R18.2 U2.42 U4.B20
/FPGA-MISC/ETH0.RX0: R17.1 R29.1 U2.32 U4.A16
/FPGA-MISC/ETH0.RX1: R16.1 R28.1 U2.31 U4.C17
/FPGA-MISC/ETH0.RX2: R15.1 R27.1 U2.28 U4.B17
/FPGA-MISC/ETH0.RX3: R14.1 R26.1 U2.27 U4.A17
/FPGA-MISC/ETH0.RX_CLK: R10.1 R22.1 U2.35 U4.D11
/FPGA-MISC/ETH0.RX_CTRL: R11.1 R23.1 U2.33 U4.B18
/FPGA-MISC/ETH0.TX0: U2.19 U4.C15
/FPGA-MISC/ETH0.TX1: U2.20 U4.B16
/FPGA-MISC/ETH0.TX2: U2.21 U4.A18
/FPGA-MISC/ETH0.TX3: U2.22 U4.B19
/FPGA-MISC/ETH0.TX_CLK: R12.1 R24.1 U2.24 U4.E15
/FPGA-MISC/ETH0.TX_CTRL: R13.1 R25.1 U2.25 U4.D15
/FPGA-MISC/I2C0.SCL: J3.1 J4.1 J5.1 U4.E14
/FPGA-MISC/I2C0.SDA: J3.3 J4.3 J5.3 U4.C14
/FPGA-MISC/LED0: R35.1 U4.C13
/FPGA-MISC/LED1: R36.1 U4.D12
/FPGA-MISC/LED2: R38.1 U4.U2
/FPGA-MISC/LED3: R39.1 U4.T3
/FPGA-MISC/LED4: R41.1 U4.D13
/FPGA-MISC/LED5: R42.1 U4.E13
/FPGA-MISC/LED6: R44.1 U4.C16
/FPGA-MISC/LEDC0: Q1.1 R37.2 U4.T1
/FPGA-MISC/LEDC1: Q2.1 R40.2 U4.R1
/FPGA-MISC/LEDC2: Q3.1 R43.2 U4.U1
/FPGA-MISC/SDMMC0.CD: J2.11 U4.B15
/FPGA-MISC/SDMMC0.CK: J2.5 U3.4 U4.B13
/FPGA-MISC/SDMMC0.CMD: J2.3 U3.5 U4.A13
/FPGA-MISC/SDMMC0.DAT0: J2.7 U3.3 U4.C12
/FPGA-MISC/SDMMC0.DAT1: J2.8 U3.1 U4.A12
/FPGA-MISC/SDMMC0.DAT2: J2.1 U3.7 U4.D14
/FPGA-MISC/SDMMC0.DAT3: J2.2 U3.6 U4.A14
/FPGA-MISC/ULIP_VDDIO: C1.1 NT1.2 R53.1 U1.2 U1.9
/FPGA-MISC/USB0.DATA0: U1.4 U4.B9
/FPGA-MISC/USB0.DATA1: U1.5 U4.C6
/FPGA-MISC/USB0.DATA2: U1.6 U4.A7
/FPGA-MISC/USB0.DATA3: U1.7 U4.E9
/FPGA-MISC/USB0.DATA4: U1.8 U4.A8
/FPGA-MISC/USB0.DATA5: U1.10 U4.D9
/FPGA-MISC/USB0.DATA6: U1.11 U4.C10
/FPGA-MISC/USB0.DATA7: U1.12 U4.C7
/FPGA-MISC/USB0.DIR: U1.1 U4.A6
/FPGA-MISC/USB0.NXT: U1.3 U4.B8
/FPGA-MISC/USB0.REFCLK: U1.21 U4.B6
/FPGA-MISC/USB0.RESET: R53.2 U1.22 U4.C9
/FPGA-MISC/USB0.STP: U1.24 U4.C8
/GIGABIT-0/ETH_A_N: CON1.9 U2.3
/GIGABIT-0/ETH_A_P: CON1.10 U2.2
/GIGABIT-0/ETH_B_N: CON1.7 U2.6
/GIGABIT-0/ETH_B_P: CON1.8 U2.5
/GIGABIT-0/ETH_C_N: CON1.5 U2.8
/GIGABIT-0/ETH_C_P: CON1.6 U2.7
/GIGABIT-0/ETH_D_N: CON1.3 U2.11
/GIGABIT-0/ETH_D_P: CON1.4 U2.10
/PDM0: R75.2 U4.V1
/PDM1: R80.2 U4.E11
/PDM2: R85.2 U4.T2
/sheetFPGA/CFG0: R50.2 R51.1 U4.U4
/sheetFPGA/CFG1: R48.2 R49.1 U4.T4
/sheetFPGA/CFG2: R46.2 R47.1 U4.R4
/sheetFPGA/CFG.CLK: U4.U3 U5.6
/sheetFPGA/CFG.CS: U4.R2 U5.1
/sheetFPGA/CFG.IO0: U4.W2 U5.5
/sheetFPGA/CFG.IO1: U4.V2 U5.2
/sheetFPGA/CFG.IO2: U4.Y2 U5.3
/sheetFPGA/CFG.IO3: U4.W1 U5.7
/sheetFPGA/FPGA_RESET: C20.1 R45.2 R52.1 U4.W3
/sheetFPGA/TCK: J6.4 R55.1 U4.T5
/sheetFPGA/TDI: J6.2 U4.R5
/sheetFPGA/TDO: J6.3 U4.V4
/sheetFPGA/TMS: J6.1 U4.U5
/sheetIO/IO-LEDS/CATB: D1.4 D2.4 D3.4 D4.4 D5.4 D6.4 D7.4 Q2.3
/sheetIO/IO-LEDS/CATG: D1.3 D2.3 D3.3 D4.3 D5.3 D6.3 D7.3 Q3.3
/sheetIO/IO-LEDS/CATR: D1.2 D2.2 D3.2 D4.2 D5.2 D6.2 D7.2 Q1.3
/SYZYGY0.C2P_CLK_N: J3.36 U4.P2
/SYZYGY0.C2P_CLK_P: J3.34 U4.P1
/SYZYGY0.D0_N: J3.7 U4.F1
/SYZYGY0.D0_P: J3.5 U4.G2
/SYZYGY0.D1_N: J3.8 U4.K3
/SYZYGY0.D1_P: J3.6 U4.J3
/SYZYGY0.D2_N: J3.11 U4.J5
/SYZYGY0.D2_P: J3.9 U4.J4
/SYZYGY0.D3_N: J3.12 U4.J1
/SYZYGY0.D3_P: J3.10 U4.K2
/SYZYGY0.D4_N: J3.15 U4.M1
/SYZYGY0.D4_P: J3.13 U4.N2
/SYZYGY0.D5_N: J3.16 U4.L2
/SYZYGY0.D5_P: J3.14 U4.L3
/SYZYGY0.D6_N: J3.19 U4.M3
/SYZYGY0.D6_P: J3.17 U4.N3
/SYZYGY0.D7_N: J3.20 U4.P5
/SYZYGY0.D7_P: J3.18 U4.N4
/SYZYGY0.P2C_CLK_N: J3.35 U4.G1
/SYZYGY0.P2C_CLK_P: J3.33 U4.H2
/SYZYGY0.R_GA: J3.4 R1.1
/SYZYGY0.S16: J3.21 U4.H1
/SYZYGY0.S17: J3.22 U4.K5
/SYZYGY0.S18: J3.23 U4.K4
/SYZYGY0.S19: J3.24 U4.K1
/SYZYGY0.S20: J3.25 U4.L4
/SYZYGY0.S21: J3.26 U4.L1
/SYZYGY0.S22: J3.27 U4.L5
/SYZYGY0.S23: J3.28 U4.M4
/SYZYGY0.S24: J3.29 U4.N1
/SYZYGY0.S25: J3.30 U4.N5
/SYZYGY0.S26: J3.31 U4.P3
/SYZYGY0.S27: J3.32 U4.P4
/SYZYGY0.VIO1: C25.1 C26.1 C157.1 C159.1 C160.1 J3.39 JP1.2 U4.L6 U4.L7 U4.M6
/SYZYGY1.C2P_CLK_N: J4.36 U4.F3
/SYZYGY1.C2P_CLK_P: J4.34 U4.G3
/SYZYGY1.D0_N: J4.7 U4.D5
/SYZYGY1.D0_P: J4.5 U4.E4
/SYZYGY1.D1_N: J4.8 U4.A5
/SYZYGY1.D1_P: J4.6 U4.A4
/SYZYGY1.D2_N: J4.11 U4.B4
/SYZYGY1.D2_P: J4.9 U4.C4
/SYZYGY1.D3_N: J4.12 U4.C2
/SYZYGY1.D3_P: J4.10 U4.B2
/SYZYGY1.D4_N: J4.15 U4.B1
/SYZYGY1.D4_P: J4.13 U4.A2
/SYZYGY1.D5_N: J4.16 U4.D1
/SYZYGY1.D5_P: J4.14 U4.C1
/SYZYGY1.D6_N: J4.19 U4.E3
/SYZYGY1.D6_P: J4.17 U4.F4
/SYZYGY1.D7_N: J4.20 U4.E1
/SYZYGY1.D7_P: J4.18 U4.D2
/SYZYGY1.P2C_CLK_N: J4.35 U4.E2
/SYZYGY1.P2C_CLK_P: J4.33 U4.F2
/SYZYGY1.R_GA: J4.4 R2.1
/SYZYGY1.S16: J4.21 U4.B5
/SYZYGY1.S17: J4.22 U4.E5
/SYZYGY1.S18: J4.23 U4.F5
/SYZYGY1.S19: J4.24 U4.C5
/SYZYGY1.S20: J4.25 U4.B3
/SYZYGY1.S21: J4.26 U4.A3
/SYZYGY1.S22: J4.27 U4.D3
/SYZYGY1.S23: J4.28 U4.C3
/SYZYGY1.S24: J4.29 U4.H5
/SYZYGY1.S25: J4.30 U4.G5
/SYZYGY1.S26: J4.31 U4.H3
/SYZYGY1.S27: J4.32 U4.H4
/SYZYGY1.VIO1: C27.1 C28.1 C158.1 C161.1 C162.1 J4.39 JP2.2 U4.H6 U4.H7 U4.J6
/SYZYGY2.C2P_CLK_N: J5.36 U4.B10
/SYZYGY2.C2P_CLK_P: J5.34 U4.A9
/SYZYGY2.P2C_CLK_N: J5.35 U4.A11
/SYZYGY2.P2C_CLK_P: J5.33 U4.A10
/SYZYGY2.R_GA: J5.4 R3.1
/SYZYGY2.REFCLK_N: J5.15 U4.Y12
/SYZYGY2.REFCLK_P: J5.13 U4.Y11
/SYZYGY2.RX0_N: J5.7 U4.Y6
/SYZYGY2.RX0_P: J5.5 U4.Y5
/SYZYGY2.RX1_N: J5.11 U4.Y8
/SYZYGY2.RX1_P: J5.9 U4.Y7
/SYZYGY2.RX2_N: J5.27 U4.Y15
/SYZYGY2.RX2_P: J5.25 U4.Y14
/SYZYGY2.RX3_N: J5.31 U4.Y17
/SYZYGY2.RX3_P: J5.29 U4.Y16
/SYZYGY2.S0: J5.14 U4.C11
/SYZYGY2.S1: J5.16 U4.B11
/SYZYGY2.S2: J5.17 U4.D6
/SYZYGY2.S3: J5.18 U4.D7
/SYZYGY2.S4: J5.19 U4.E6
/SYZYGY2.S5: J5.20 U4.E7
/SYZYGY2.S6: J5.21 U4.D8
/SYZYGY2.S7: J5.22 U4.E8
/SYZYGY2.S8: J5.23 U4.E10
/SYZYGY2.S9: J5.24 U4.D10
/SYZYGY2.TX0_N: J5.8 U4.W5
/SYZYGY2.TX0_P: J5.6 U4.W4
/SYZYGY2.TX1_N: J5.12 U4.W9
/SYZYGY2.TX1_P: J5.10 U4.W8
/SYZYGY2.TX2_N: J5.28 U4.W14
/SYZYGY2.TX2_P: J5.26 U4.W13
/SYZYGY2.TX3_N: J5.32 U4.W18
/SYZYGY2.TX3_P: J5.30 U4.W17
/SYZYGY2.VIO1: C23.1 C24.1 C155.1 C163.1 C164.1 J5.39 JP3.2 NT1.1 U4.F9 U4.F10
/SYZYGY-0-STD/VOUT: C100.1 C101.1 C102.1 JP1.1 L7.2 R78.2 TP9.1
/SYZYGY-1-STD/VOUT: C107.1 C108.1 C109.1 JP2.1 L8.2 R83.2 TP10.1
/SYZYGY-2-TXR4/VOUT: C114.1 C115.1 C116.1 JP3.1 L9.2 R88.2 TP11.1
/USB-PHY/ULPI_1V8: C2.1 U1.23
/USB-PHY/ULPI_3V3: C3.1 U1.15 U1.18
/USB-PHY/USBD_N: J1.A7 J1.B7 U1.14
/USB-PHY/USBD_P: J1.A6 J1.B6 U1.13
BUTTON_A: R33.2 SW1.1 U4.U16
BUTTON_B: R34.2 SW2.1 U4.T17
P_1.35_DRAM: C33.1 C34.1 C35.1 C36.1 C37.1 C73.1 C74.1 C75.1 C88.1 C89.1 C90.1 C91.1 C93.1 C94.1 C95.1 C96.1 C147.1 C148.1 C149.1 C150.1 L3.2 R33.1 R34.1 R56.2 R69.1 TP5.1 U4.H14 U4.H15 U4.J15 U4.K16 U4.K17 U4.L14 U4.L15 U4.M15 U4.M18 U4.M19 U4.N19 U4.T20 U4.U17 U11.A1 U11.A8 U11.B2 U11.C1 U11.C9 U11.D2 U11.D9 U11.E9 U11.F1 U11.G7 U11.H2 U11.H9 U11.K2 U11.K8 U11.N1 U11.N9 U11.R1 U11.R9 U12.A1 U12.A8 U12.B2 U12.C1 U12.C9 U12.D2 U12.D9 U12.E9 U12.F1 U12.G7 U12.H2 U12.H9 U12.K2 U12.K8 U12.N1 U12.N9 U12.R1 U12.R9
P_1V2_A: C41.1 FB2.1 R60.2 U16.1
P_1V2_FPGA: C42.1 C43.1 C44.1 C45.1 C46.1 C47.1 C48.1 C49.1 C50.1 C51.1 C81.1 C84.1 C87.1 L6.2 R65.2 TP8.1 U4.H8 U4.H9 U4.H10 U4.H11 U4.H12 U4.H13 U4.J8 U4.J13 U4.K8 U4.K13 U4.L8 U4.L13 U4.M8 U4.M13 U4.N8 U4.N9 U4.N10 U4.N11 U4.N12 U4.N13
P_1V2_T: C57.1 FB3.1 FB4.1 R74.2 U17.1
V_DRAMREF: C21.1 C22.1 C92.1 C97.1 C119.1 C120.1 C121.1 R69.2 R70.1 U4.D20 U4.P16 U11.H1 U11.M8 U12.H1 U12.M8
Net-(C10-Pad2): C6.2 C8.2 C10.2 FB6.1 U2.44
Net-(C18-Pad2): C18.2 U2.46 Y1.3
Net-(C19-Pad2): C19.2 U2.45 Y1.1
Net-(C54-Pad2): C54.2 R58.1 R59.2 U6.1
Net-(C64-Pad1): C64.1 C69.1 FB5.2 J2.4
Net-(C73-Pad2): C73.2 R56.1 R57.2 U7.1
Net-(C79-Pad2): C79.2 R61.1 R62.2 U8.1
Net-(C80-Pad2): C80.2 R63.1 R64.2 U9.1
Net-(C81-Pad2): C81.2 R65.1 R66.2 U10.1
Net-(C99-Pad1): C99.1 R75.1 R77.2
Net-(C100-Pad2): C100.2 R77.1 R78.1 R79.2 U13.1
Net-(C106-Pad1): C106.1 R80.1 R82.2
Net-(C107-Pad2): C107.2 R82.1 R83.1 R84.2 U14.1
Net-(C113-Pad1): C113.1 R85.1 R87.2
Net-(C114-Pad2): C114.2 R87.1 R88.1 R89.2 U15.1
Net-(C143-Pad1): C143.1 Q4.2 R95.2 U18.2 U19.4
Net-(C144-Pad1): C144.1 U18.11
Net-(C145-Pad1): C145.1 R67.1 R93.1
Net-(C146-Pad1): C146.1 R71.1 R94.1
